# KiCad board cm0.kicad_pcb (continued)
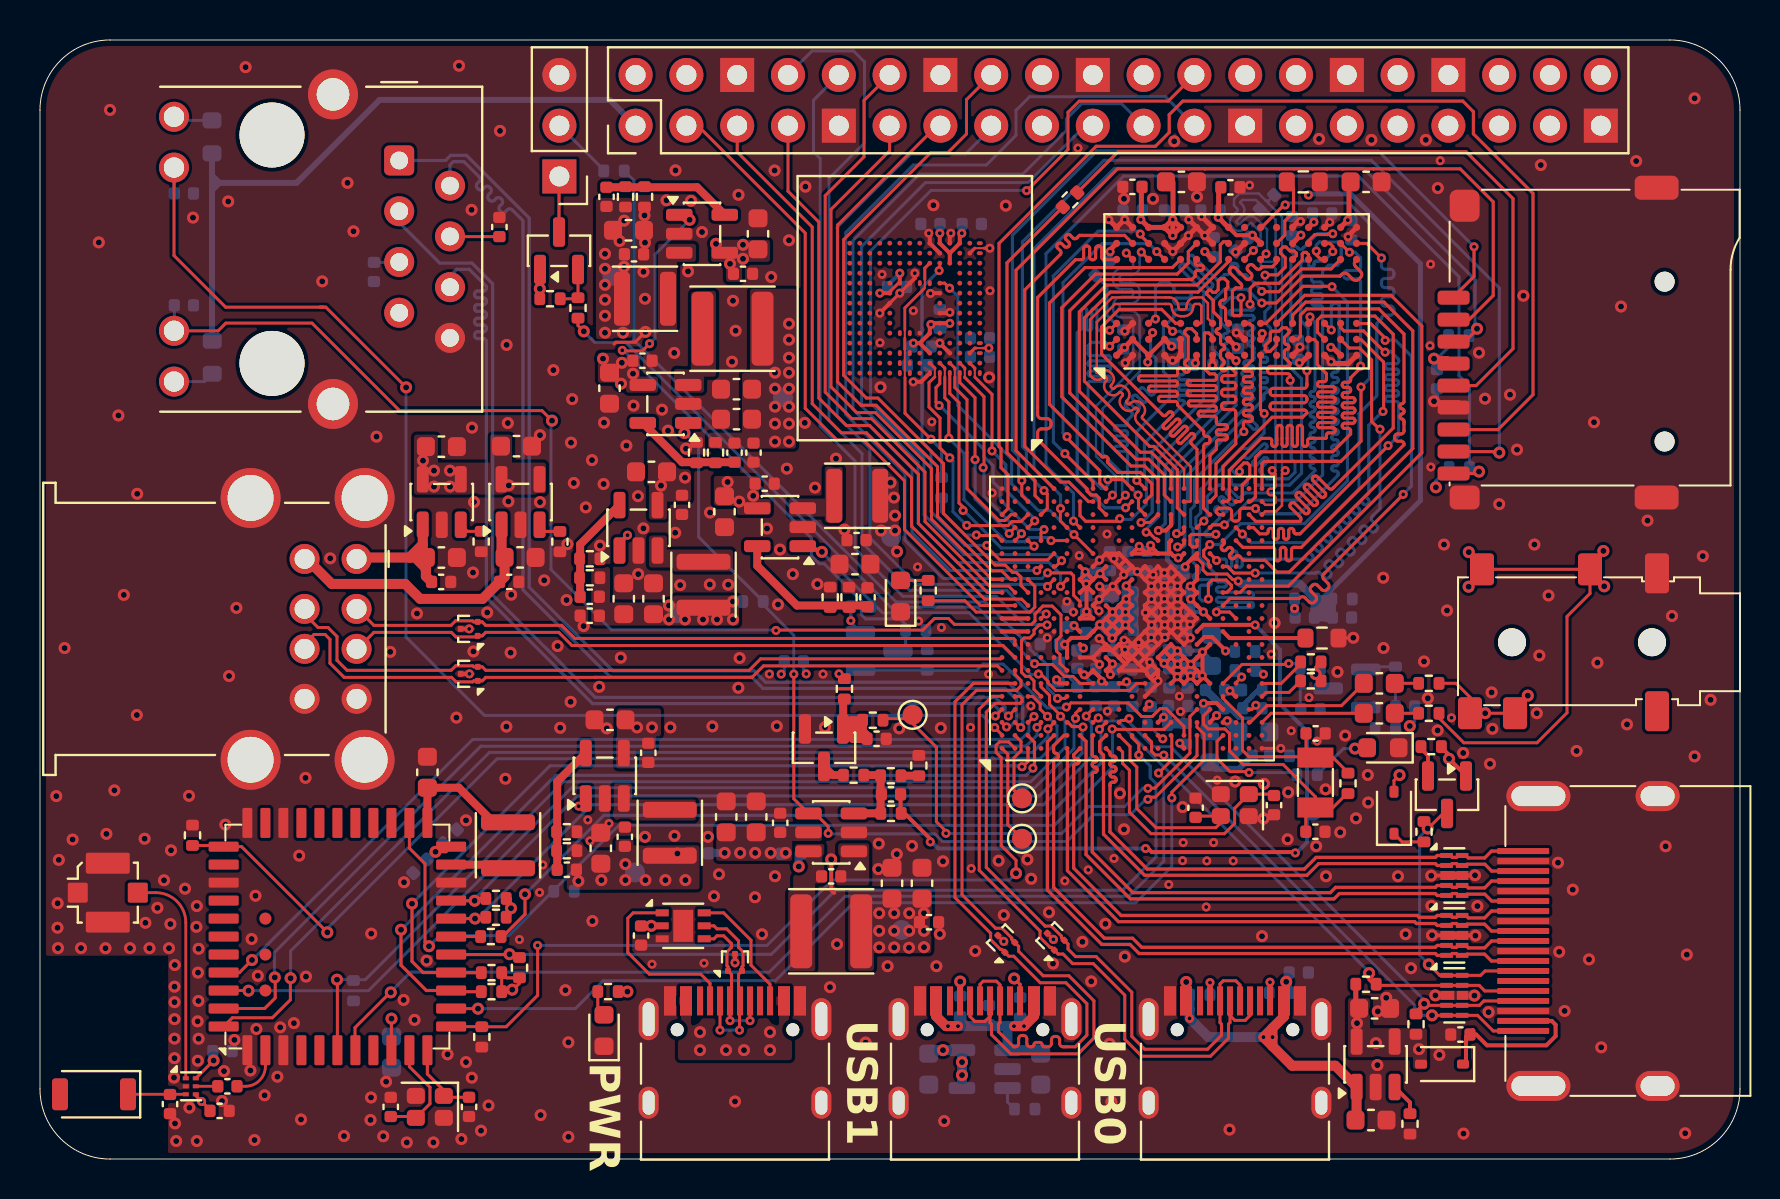
[diagram p0: board, top side]
## Copper pours and planes (outline as drawn; the poured copper is in the pictures) (continued)
+5V on In2.Cu: 33.7,55.97 33.7,52.72 27.74,52.71 27.72,48.77 24.87,48.78 24.87,41.34 27.52,41.33 27.52,40.97 29.67,40.96 29.7,46.02 36.3,45.97 36.2,26.74 37.8,26.75 37.75,13.77 37.75,5.87 64,5.82 65.15,7.07 69.7,7.07 69.7,1.97 28.95,2.02 28.95,13.12 33.1,13.12 33.1,16.14 4.18,16.12 4.15,55.97
/H3/AGND on Bottom: 61.8,24.85 61.79,19.65 59.9,19.7 59.9,21.95 59,21.95 59,19.35 57.5,19.35 57.5,23.15 60.62,23.15 60.62,24.85
GND on Top, Bottom, In1.Cu: 0,56 85,56 85.05,0 0,0
Net-(U3-LX) on Top: 32.81,16.94 28.66,16.94 28.66,18.79 29.61,18.79 29.61,17.99 32.81,17.99
Net-(U4-LX) on Top: 37.44,32.15 39.24,32.15 39.24,31.85 40.14,31.85 40.14,34.65 39.24,34.65 39.24,33.05 37.44,33.05
Net-(U5-LX) on Top: 30.45,31.2 30.45,29.6 31.65,29.6 31.65,29.4 34.65,29.4 34.65,30.5 31.35,30.5 31.35,31.2
Net-(U6-LX) on Top: 33.8,43.45 33.8,39.15 33.2,39.15 33.2,38.35 31.7,38.35 31.7,39.55 32.55,39.5 32.55,43.4
Net-(U7-BS) on Top: 39.91,15.79 39.91,14.59 39.66,14.59 39.66,13.69 41.46,13.69 41.46,15.79
Net-(U7-LX) on Top: 39.21,15.79 39.21,13.79 38.76,13.79 38.76,9.39 37.41,9.39 37.41,13.44 37.66,13.44 37.66,15.79
Net-(U8-LX) on Top: 32.8,45.8 30.9,45.8 30.9,41.5 31.85,41.5 31.85,44.9 32.8,44.9

## Text on the board
B.Silkscreen: Icepi SBC / V1.0
User.Comments: Low speed / USB comms | 0.157: 50ohm impedance on L1 and L4 / 0.1402: 50ohm 0.15 coplanar impedance on L1 and L4 / 0.124/0.2: 100ohm differential on L1 and L4 / 0.1184/0.2: 100ohm coplanar on L1 and L4 / 0.1511/0.2: 90ohm coplanar on L1 / 0.1618/0.15: 100ohm 0.15 coplanar on L1 / DDR3: / CMD, ADDR matched to 27mm / DATA matched to 20.5mm / CLK matched to 28mm
F.Silkscreen: PWR | USB1 | USB0
